# Altium PCB 15-34级主板.PcbDoc (part 3 of 4)
Units mil, origin at the board's own origin, x right, y up, seen from the top; angles counter-clockwise.
Board outline 2090.18 x 2701.44 mil, 2 copper layers (Top Layer, Bottom Layer); 13 components, 36 nets, 276 pads, 223 vias.
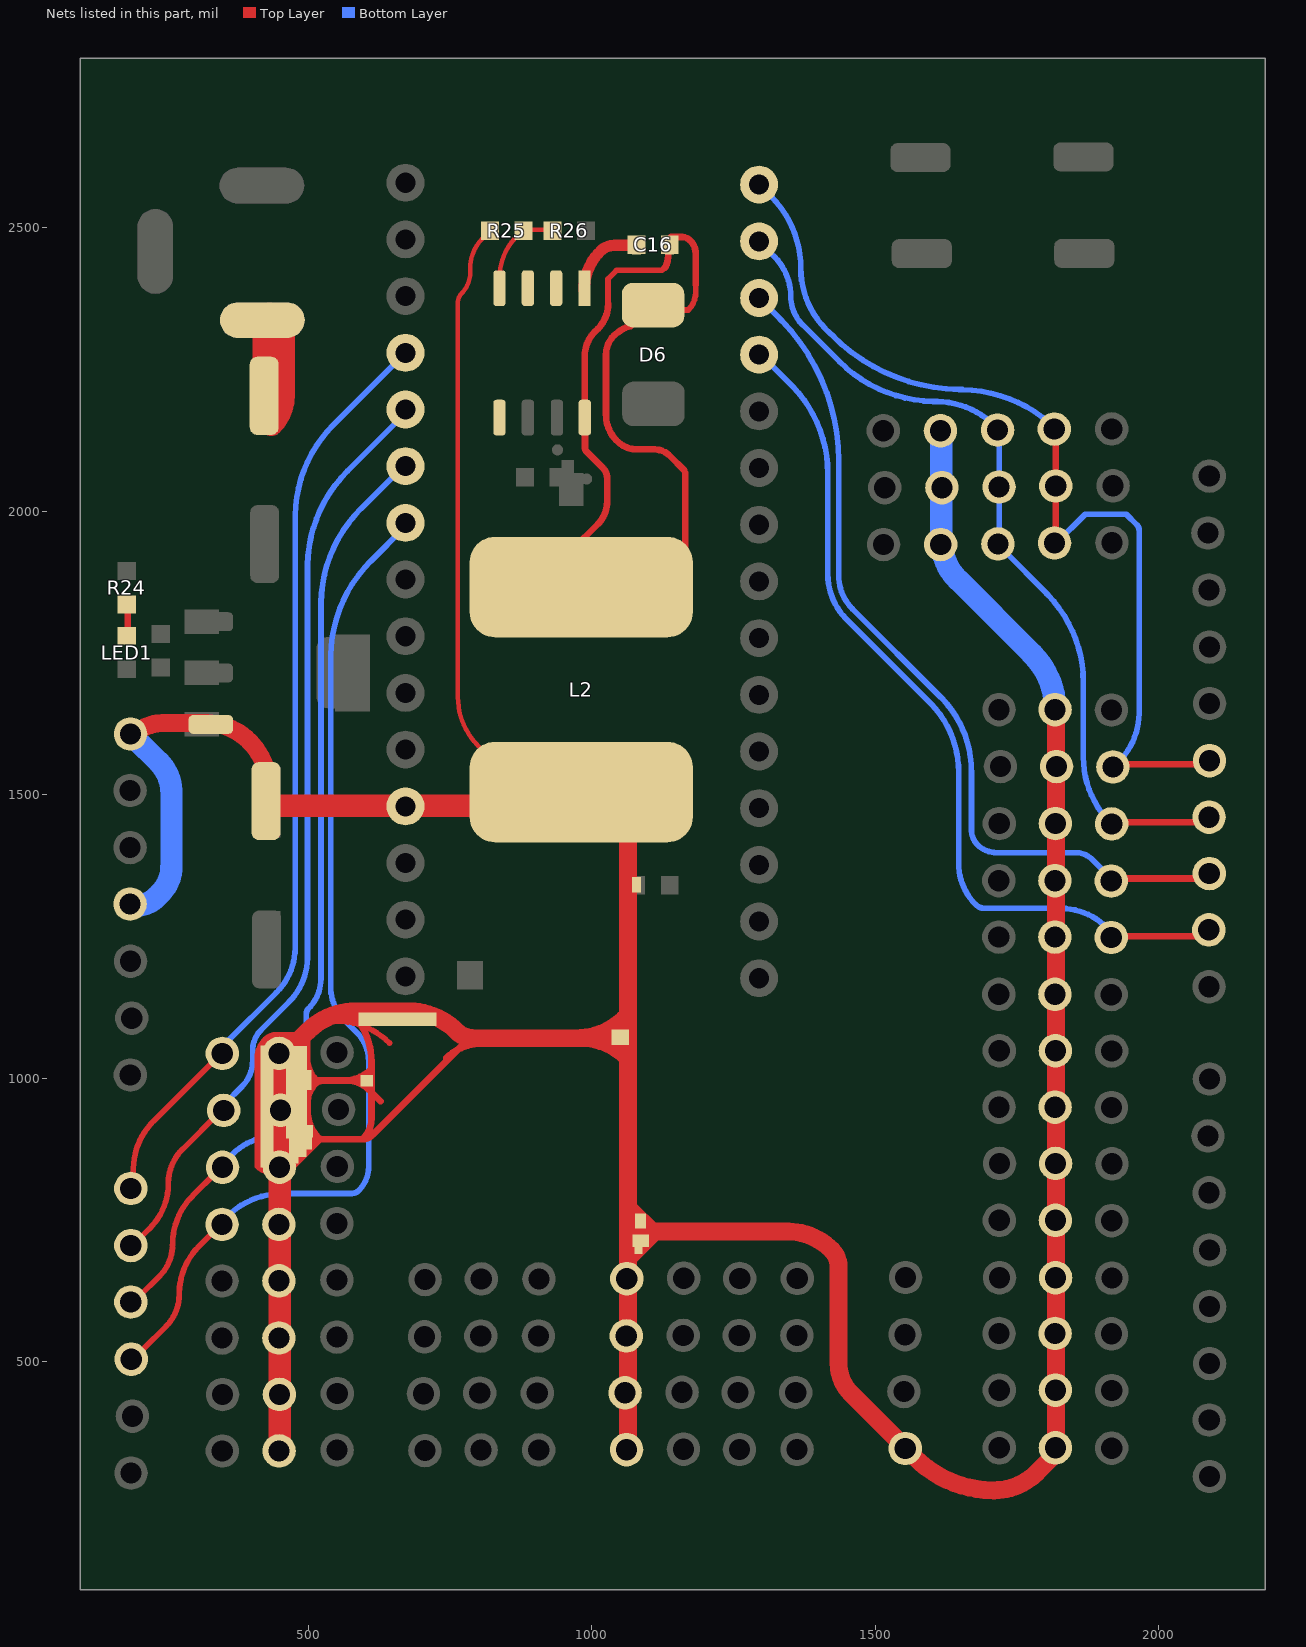
[diagram p3: the nets of this part, all layers, seen from the top]

## Via types
v1: diameter 23.62, hole 15.75, Top Layer to Bottom Layer, 223 vias

## Nets (pads, with @x,y where several pads share a name; then routed paths per layer and width w, separated by ;. In a path a pad name is that pad's centre, name@x,y a point inside that pad or via, vN(x,y) a via of type N, cw(c..) or ccw(c..) an arc to the next point about the centre after c; other vN are vias at no path point) (continued)
$Net22: pad.0@1295.08,2276.33 pad.0@1916.31,1248.21 pad.0@2088.43,1261.74 | length 1533.8
  Top Layer w11.81: pad.0@1917.99,1250.49 2084.05,1250.49 2085.84,1250.55 2087.61,1250.74 2089.37,1251.05 2091.11,1251.48 2092.81,1252.03 2094.47,1252.7 2096.07,1253.49 2097.62,1254.38 2099.1,1255.38 2100.51,1256.48 2101.84,1257.68 pad.0@2102.16,1257.99
  Bottom Layer w10: pad.0@1292.16,2274.24 1292.5,2274.24 1293.9,2274.17 1295.3,2274 1296.68,2273.73 1298.03,2273.36 1299.36,2272.91 1300.65,2272.36 1301.91,2271.72 1303.11,2271 1304.26,2270.19 1305.35,2269.31 1306.38,2268.35 1351.54,2223.2 1354.24,2220.44 1364.57,2208.96 1374.08,2196.8 1382.71,2183.99 1390.43,2170.62 1397.2,2156.74 1402.99,2142.43 1407.76,2127.74 1411.5,2112.76 1414.18,2097.55 1415.79,2082.19 1416.33,2066.76 1416.33,1889.06 1416.6,1881.23 1417.42,1873.44 1418.78,1865.73 1420.68,1858.13 1423.1,1850.68 1426.03,1843.42 1429.46,1836.38 1433.38,1829.6 1437.76,1823.1 1442.58,1816.93 1447.82,1811.11 1449.2,1809.72 1596.49,1662.43 1598.61,1660.28 1606.69,1651.3 1614.12,1641.78 1620.88,1631.77 1626.92,1621.31 1632.21,1610.46 1636.73,1599.26 1640.47,1587.77 1643.39,1576.05 1645.49,1564.16 1646.75,1552.15 1647.17,1540.08 1647.17,1378.76 1647.42,1371.61 1648.17,1364.5 1649.41,1357.46 1651.14,1350.53 1653.35,1343.73 1656.03,1337.1 1659.16,1330.67 1662.73,1324.48 1666.73,1318.55 1671.13,1312.92 1675.92,1307.61 1677.17,1306.33 1678.33,1305.25 1679.57,1304.25 1680.87,1303.33 1682.23,1302.52 1683.65,1301.79 1685.11,1301.17 1686.61,1300.66 1688.15,1300.24 1689.71,1299.94 1691.29,1299.75 1692.87,1299.66 1693.26,1299.67 1826.32,1299.67 1828.35,1299.65 1836.48,1299.22 1844.56,1298.23 1852.56,1296.68 1860.43,1294.57 1868.13,1291.92 1875.62,1288.73 1882.88,1285.04 1889.86,1280.84 1896.53,1276.17 1902.86,1271.04 pad.0@1908.82,1265.49
$Net23: pad.0@1295.08,2376.33 pad.0@1916.31,1347.8 pad.0@2089.25,1360.9 | length 1489.4
  Top Layer w11.81: pad.0@1922.99,1352.18 2062.4,1352.18 2062.6,1352.17 2063.4,1352.13 2064.19,1352.03 2064.97,1351.88 2065.74,1351.67 2066.5,1351.41 2067.24,1351.1 2067.95,1350.74 2068.63,1350.33 2069.29,1349.87 2069.91,1349.36 pad.0@2070.49,1348.82
  Bottom Layer w10: pad.0@1303.41,2367.99 1331.7,2339.69 1336.04,2335.28 1352.59,2316.9 1367.82,2297.41 1381.65,2276.91 1394.01,2255.49 1404.85,2233.26 1414.12,2210.32 1421.76,2186.8 1427.75,2162.8 1432.04,2138.45 1434.63,2113.85 1435.49,2089.13 1435.49,1886.8 1435.69,1880.97 1436.3,1875.17 1437.32,1869.42 1438.73,1863.76 1440.53,1858.21 1442.72,1852.8 1445.28,1847.55 1448.19,1842.5 1451.46,1837.66 1455.05,1833.06 1458.95,1828.73 1459.98,1827.69 1615.68,1671.98 1617.94,1669.68 1626.55,1660.13 1634.47,1649.99 1641.66,1639.33 1648.09,1628.19 1653.73,1616.63 1658.55,1604.7 1662.52,1592.47 1665.63,1579.99 1667.87,1567.33 1669.21,1554.53 1669.66,1541.68 1669.66,1437.9 1669.75,1435.32 1670.02,1432.75 1670.47,1430.21 1671.09,1427.7 1671.89,1425.25 1672.86,1422.85 1673.99,1420.53 1675.28,1418.3 1676.72,1416.16 1678.31,1414.12 1680.04,1412.2 1680.49,1411.74 1682.89,1409.5 1685.43,1407.44 1688.12,1405.56 1690.93,1403.87 1693.85,1402.39 1696.86,1401.11 1699.96,1400.04 1703.13,1399.19 1706.35,1398.57 1709.6,1398.17 1712.87,1398 1713.69,1397.99 1853.82,1397.99 1854.53,1397.98 1857.34,1397.83 1860.13,1397.49 1862.89,1396.95 1865.61,1396.23 1868.26,1395.31 1870.85,1394.21 1873.36,1392.94 1875.77,1391.49 1878.07,1389.88 1880.25,1388.11 1882.31,1386.19 1914.3,1354.2 1914.35,1354.15 1914.54,1353.94 1914.71,1353.71 1914.87,1353.48 1915.01,1353.23 1915.14,1352.98 1915.24,1352.71 1915.33,1352.44 1915.4,1352.17 1915.45,1351.89 1915.48,1351.6 pad.0@1915.49,1351.32
$Net24: pad.0@1295.08,2476.33 pad.0@1715.92,2143.4 pad.0@1716.34,1942.58 pad.0@1718.42,2043 pad.0@1917.15,1448.64 pad.0@2088.84,1460.49 | length 1512
  Top Layer w11.81: pad.0@1928.83,1451.33 2098.44,1451.33 2099.63,1451.37 2100.81,1451.5 2101.98,1451.7 2103.14,1451.99 2104.27,1452.36 2105.37,1452.8 2106.44,1453.32 2107.47,1453.92 2108.46,1454.58 2109.39,1455.32 2110.28,1456.11 pad.0@2110.49,1456.32
  Bottom Layer w10: pad.0@1288.45,2481.34 1288.59,2481.33 1288.73,2481.31 1288.86,2481.29 1288.99,2481.25 1289.12,2481.21 1289.25,2481.15 1289.37,2481.09 1289.49,2481.02 1289.6,2480.94 1289.71,2480.85 pad.0@1289.81,2480.76 ; pad.0@1295.08,2476.33 1321.67,2449.75 1322.88,2448.51 1327.55,2443.32 1331.85,2437.82 1335.75,2432.03 1339.24,2425.99 1342.3,2419.71 1344.92,2413.24 1347.08,2406.6 1348.76,2399.83 1349.98,2392.96 1350.71,2386.02 1350.95,2379.04 1351.12,2374.16 1351.63,2369.3 1352.48,2364.49 1353.66,2359.75 1355.17,2355.1 1357,2350.57 1359.14,2346.18 1361.59,2341.95 1364.32,2337.89 1367.33,2334.04 1370.6,2330.41 1371.43,2329.57 ; 1371.46,2329.54 1436.79,2264.2 1449.05,2252.76 1462.09,2242.21 1475.82,2232.59 1490.2,2223.95 1505.14,2216.34 1520.58,2209.79 1536.43,2204.33 1552.63,2199.99 1569.09,2196.79 1585.74,2194.74 1602.49,2193.87 1606.69,2193.83 1609.26,2193.81 1619.58,2193.27 1629.83,2192.01 1639.97,2190.04 1649.95,2187.37 1659.71,2184 1669.22,2179.97 1678.42,2175.28 1687.28,2169.96 1695.74,2164.03 1703.77,2157.53 pad.0@1711.32,2150.49 ; pad.0@1718.82,2144.24 1718.82,1947.42 1718.88,1945.83 1719.04,1944.25 1719.32,1942.69 1719.7,1941.15 1720.19,1939.64 1720.79,1938.16 1721.48,1936.73 1722.28,1935.36 1723.17,1934.04 1724.14,1932.79 1725.21,1931.61 pad.0@1725.49,1931.32 ; pad.0@1725.52,1931.32 1725.66,1931.31 1725.8,1931.29 1725.94,1931.27 1726.08,1931.23 1726.21,1931.18 1726.34,1931.13 1726.46,1931.07 1726.58,1930.99 1726.7,1930.91 1726.81,1930.83 1726.91,1930.73 1802.3,1855.35 ; 1802.17,1855.08 1804.89,1852.32 1815.25,1840.81 1824.79,1828.6 1833.45,1815.76 1841.19,1802.35 1847.98,1788.42 1853.79,1774.06 1858.57,1759.33 1862.32,1744.3 1865.01,1729.05 1866.63,1713.64 1867.17,1698.16 1867.17,1566.34 1867.57,1554.83 1868.78,1543.38 1870.78,1532.04 1873.56,1520.86 1877.12,1509.91 1881.43,1499.23 1886.48,1488.88 1892.24,1478.91 1898.68,1469.36 1905.77,1460.29 1913.48,1451.73 1915.49,1449.68 pad.0@1915.89,1449.27
$Net25: pad.0@1295.08,2576.33 pad.0@1815.91,2145.06 pad.0@1816.33,1944.24 pad.0@1818.41,2044.66 pad.0@1919.24,1549.06 pad.0@2089.67,1560.08 | length 1752.4
  Top Layer w11.81: pad.0@1818.41,2152.99 1818.41,1941.63 1818.42,1941.23 1818.47,1940.83 1818.53,1940.44 1818.63,1940.05 1818.75,1939.67 1818.9,1939.3 1819.08,1938.94 1819.28,1938.6 1819.5,1938.27 1819.75,1937.95 1820.02,1937.66 pad.0@1820.08,1937.58 ; pad.0@1922.17,1553.83 2094.81,1553.83 2094.91,1553.83 2095.31,1553.81 2095.7,1553.77 2096.09,1553.69 2096.47,1553.59 2096.85,1553.46 2097.21,1553.3 2097.57,1553.12 2097.91,1552.92 2098.23,1552.69 2098.54,1552.44 pad.0@2098.83,1552.17
  Bottom Layer w10: pad.0@1292.58,2577.17 1292.67,2577.17 1293.01,2577.15 1293.36,2577.11 1293.7,2577.04 1294.04,2576.95 1294.37,2576.84 1294.69,2576.7 1295,2576.55 1295.3,2576.37 1295.58,2576.17 1295.86,2575.95 1296.11,2575.71 1315.79,2556.02 1318,2553.77 1326.46,2544.38 1334.24,2534.42 1341.31,2523.94 1347.63,2513 1353.17,2501.64 1357.9,2489.92 1361.81,2477.9 1364.86,2465.64 1367.06,2453.19 1368.38,2440.62 1368.82,2427.99 ; 1368.54,2429.16 1368.91,2418.43 1370.04,2407.75 1371.9,2397.17 1374.5,2386.75 1377.82,2376.54 1381.84,2366.58 1386.55,2356.93 1391.92,2347.63 1397.92,2338.72 1404.54,2330.26 1411.72,2322.28 1419.45,2314.82 1426.44,2308.89 ; 1425.2,2309.45 1441.69,2294.07 1459.21,2279.89 1477.68,2266.95 1497,2255.34 1517.09,2245.11 1537.84,2236.3 1559.16,2228.96 1580.94,2223.12 1603.07,2218.82 1625.45,2216.07 1647.96,2214.89 1653.6,2214.85 ; 1649.66,2214.68 1653.87,2214.64 1670.7,2213.76 1687.43,2211.71 1703.97,2208.49 1720.24,2204.13 1736.18,2198.65 1751.69,2192.06 1766.7,2184.41 1781.15,2175.73 1794.95,2166.07 1808.05,2155.46 pad.0@1820.37,2143.97 ; pad.0@1818.42,1943.42 1818.49,1943.42 1818.56,1943.43 1818.63,1943.44 1818.7,1943.46 1818.77,1943.48 1818.83,1943.51 1818.89,1943.54 1818.96,1943.57 1819.01,1943.61 1819.07,1943.66 pad.0@1819.12,1943.7 ; pad.0@1819.13,1943.71 1870.35,1994.94 1881.1,1994.94 ; 1878.86,1994.93 1942.74,1994.93 1961.74,1975.93 1961.9,1975.76 1962.5,1975.1 1963.05,1974.39 1963.55,1973.65 1963.99,1972.88 1964.38,1972.08 1964.72,1971.25 1964.99,1970.4 1965.21,1969.53 1965.37,1968.65 1965.46,1967.76 1965.49,1966.87 1965.49,1645.67 1965.47,1643.49 1965.01,1634.76 1963.95,1626.09 1962.28,1617.52 1960.02,1609.08 1957.17,1600.82 1953.76,1592.78 1949.8,1584.99 1945.3,1577.5 1940.29,1570.35 1934.79,1563.56 pad.0@1928.83,1557.17
$Net26: pad.0@186.75,805.5 pad.0@348.2,1043.62 pad.0@671.33,2279.65 | length 1655.7
  Top Layer w10: pad.0@190.49,788.82 190.63,788.97 190.75,789.12 190.87,789.29 190.97,789.46 191.06,789.64 191.14,789.82 191.21,790.01 191.26,790.2 191.3,790.4 191.32,790.6 191.33,790.8 191.33,790.86 191.33,838.83 191.36,840.95 191.8,849.36 192.82,857.72 194.43,865.99 196.61,874.13 199.35,882.1 202.65,889.85 206.47,897.36 210.81,904.58 215.64,911.48 220.94,918.03 226.69,924.19 pad.0@350.74,1048.24 ; pad.0@350.77,1048.27 350.88,1048.36 350.99,1048.45 351.1,1048.52 351.23,1048.59 351.35,1048.66 351.48,1048.71 351.62,1048.75 351.75,1048.79 351.89,1048.81 352.03,1048.83 pad.0@352.17,1048.83
  Bottom Layer w10: pad.0@355.87,1063.37 443.83,1151.33 449.18,1157.07 454.11,1163.16 458.61,1169.58 462.65,1176.31 466.21,1183.29 469.28,1190.51 471.83,1197.93 473.86,1205.5 475.36,1213.2 476.31,1220.99 476.72,1228.82 476.74,1230.78 476.74,1988.82 476.78,1992.89 477.62,2009.08 479.6,2025.18 482.7,2041.1 486.89,2056.77 492.17,2072.1 498.51,2087.03 505.88,2101.48 514.23,2115.39 523.53,2128.67 533.74,2141.28 544.8,2153.14 pad.0@669.07,2277.4
  Bottom Layer w11.81: pad.0@352.99,1062.18 353.27,1062.19 353.56,1062.22 353.84,1062.27 354.11,1062.34 354.38,1062.43 354.65,1062.53 354.9,1062.66 355.15,1062.8 355.38,1062.96 355.61,1063.13 355.82,1063.32 pad.0@355.87,1063.37 ; pad.0@669.09,2277.43 669.2,2277.52 669.31,2277.61 669.42,2277.68 669.55,2277.75 669.67,2277.82 669.8,2277.87 669.94,2277.91 670.07,2277.95 670.21,2277.97 670.35,2277.99 pad.0@670.49,2277.99
$Net27: pad.0@186.74,704.68 pad.0@350.7,943.22 pad.0@671.33,2179.65 | length 1629.4
  Top Layer w10: pad.0@200.49,715.49 219.98,734.98 225.35,740.73 230.3,746.85 234.81,753.29 238.86,760.04 242.43,767.05 245.51,774.29 248.07,781.73 250.1,789.33 251.61,797.05 252.56,804.86 252.98,812.71 252.99,814.68 253.01,816.14 253.31,822.03 254.03,827.88 255.16,833.67 256.68,839.36 258.6,844.94 260.91,850.36 263.58,855.62 266.62,860.67 270,865.5 273.71,870.08 277.73,874.39 342.9,939.56 342.97,939.63 343.29,939.92 343.62,940.18 343.97,940.41 344.33,940.62 344.71,940.81 345.1,940.97 345.51,941.1 345.91,941.2 346.33,941.27 346.75,941.32 pad.0@347.17,941.33
  Bottom Layer w10: pad.0@353.79,956.29 382.43,984.93 385.57,988.3 388.46,991.87 391.1,995.64 393.47,999.59 395.56,1003.69 397.36,1007.92 398.86,1012.27 400.05,1016.72 400.93,1021.24 401.49,1025.8 401.73,1030.4 401.74,1031.55 401.74,1049.09 401.75,1049.98 401.94,1053.55 402.37,1057.1 403.05,1060.61 403.98,1064.06 405.14,1067.44 406.54,1070.73 408.16,1073.92 410,1076.98 412.05,1079.91 414.3,1082.69 416.74,1085.3 465.58,1134.14 470.92,1139.86 475.84,1145.95 480.33,1152.36 484.36,1159.06 487.91,1166.04 490.97,1173.24 493.52,1180.64 495.55,1188.2 497.04,1195.88 497.99,1203.65 498.4,1211.46 498.42,1213.42 498.42,1900.5 498.46,1904.71 499.34,1921.54 501.39,1938.27 504.61,1954.81 508.97,1971.08 514.45,1987.02 521.04,2002.53 528.69,2017.54 537.37,2031.99 547.03,2045.79 557.64,2058.89 569.13,2071.21 pad.0@677.82,2179.9
  Bottom Layer w11.81: pad.0@349.67,946.33 349.67,946.58 349.72,947.56 349.84,948.53 350.03,949.5 350.28,950.45 350.6,951.38 350.98,952.28 351.43,953.16 351.94,954 352.5,954.81 353.12,955.57 pad.0@353.79,956.29 ; pad.0@677.84,2179.93 677.95,2180.02 678.06,2180.11 678.17,2180.18 678.3,2180.25 678.42,2180.32 678.55,2180.37 678.69,2180.41 678.82,2180.45 678.96,2180.47 679.1,2180.49 pad.0@679.24,2180.49
$Net28: pad.0@186.74,605.09 pad.0@348.62,842.8 pad.0@671.33,2079.65 | length 1653.1
  Top Layer w10: pad.0@201.33,614.67 236.92,650.25 240.75,654.36 244.29,658.72 247.51,663.32 250.4,668.14 252.95,673.14 255.14,678.31 256.97,683.62 258.43,689.05 259.5,694.56 260.18,700.14 260.48,705.75 260.49,707.16 260.52,709.27 260.96,717.68 261.98,726.04 263.59,734.31 265.77,742.45 268.51,750.42 271.81,758.17 275.63,765.68 279.97,772.9 284.8,779.8 290.1,786.35 295.85,792.51 336.51,833.18 337.56,834.31 338.54,835.51 339.42,836.78 340.22,838.1 340.92,839.48 341.52,840.9 342.03,842.36 342.43,843.85 342.72,845.37 342.91,846.9 342.99,848.44 pad.0@342.99,848.82
  Bottom Layer w10: pad.0@365.49,865.49 366.86,866.83 372.54,871.95 378.57,876.65 384.91,880.93 391.53,884.75 398.4,888.11 405.49,890.97 412.77,893.34 420.19,895.19 427.72,896.51 435.33,897.31 442.97,897.58 472.64,897.58 474.03,897.63 475.42,897.77 476.79,898.02 478.14,898.35 479.46,898.78 480.75,899.3 482.01,899.92 483.21,900.61 484.37,901.39 485.46,902.25 486.5,903.18 486.74,903.43 488.3,905.1 489.74,906.88 491.05,908.75 492.23,910.71 493.26,912.75 494.16,914.85 494.9,917.01 495.49,919.22 495.93,921.47 496.21,923.74 496.33,926.02 496.33,926.58 496.33,1113.53 496.33,1113.75 496.38,1114.65 496.49,1115.53 496.66,1116.41 496.89,1117.27 497.18,1118.12 497.53,1118.94 497.94,1119.73 498.4,1120.5 498.91,1121.23 499.47,1121.93 500.08,1122.58 503.67,1126.43 506.98,1130.52 510,1134.83 512.71,1139.34 515.1,1144.03 517.16,1148.88 518.87,1153.85 520.23,1158.94 521.24,1164.1 521.88,1169.33 522.15,1174.58 522.17,1175.9 522.17,1833.85 522.21,1838.06 523.09,1854.89 525.14,1871.62 528.36,1888.16 532.72,1904.43 538.2,1920.37 544.79,1935.88 552.44,1950.89 561.12,1965.34 570.78,1979.14 581.39,1992.24 592.88,2004.56 pad.0@662.17,2073.85
  Bottom Layer w11.81: pad.0@662.17,2073.85 662.34,2074.02 663.08,2074.68 663.85,2075.29 664.67,2075.84 665.53,2076.34 666.41,2076.77 667.33,2077.14 668.27,2077.44 669.22,2077.68 670.19,2077.85 671.17,2077.96 pad.0@672.16,2077.99
$Net29: pad.0@187.58,504.25 pad.0@347.77,741.96 pad.0@671.33,1979.65 | length 1770.5
  Top Layer w10: pad.0@209.66,522.99 248.6,561.93 252.43,566.04 255.97,570.4 259.19,575 262.08,579.82 264.63,584.82 266.82,589.99 268.65,595.3 270.11,600.73 271.18,606.24 271.86,611.82 272.16,617.43 272.17,618.83 272.19,620.95 272.63,629.36 273.65,637.72 275.26,645.99 277.44,654.13 280.18,662.1 283.48,669.85 287.3,677.36 291.64,684.58 296.47,691.48 301.77,698.03 307.52,704.19 347.54,744.21 348.02,744.72 348.46,745.27 348.86,745.84 349.22,746.45 349.54,747.07 349.82,747.72 350.05,748.38 350.23,749.06 350.36,749.75 350.45,750.44 350.48,751.14 pad.0@350.49,751.32
  Bottom Layer w10: pad.0@355.91,755.49 357.65,757.21 364.96,763.79 372.71,769.84 380.86,775.34 389.37,780.25 398.21,784.56 407.32,788.25 416.67,791.28 426.21,793.66 435.89,795.37 445.67,796.4 455.49,796.74 506.32,796.74 576.75,796.74 577.94,796.78 579.13,796.91 580.3,797.11 581.46,797.4 582.59,797.77 583.69,798.22 584.76,798.74 585.8,799.33 586.78,800 587.72,800.73 588.61,801.53 588.82,801.74 591.67,804.79 594.29,808.03 596.68,811.45 598.83,815.03 600.73,818.75 602.36,822.59 603.72,826.53 604.8,830.56 605.59,834.66 606.1,838.8 606.32,842.97 606.33,844.01 606.33,1030.08 606.16,1035.06 605.63,1040.02 604.77,1044.93 603.56,1049.77 602.02,1054.51 600.16,1059.13 597.97,1063.61 595.48,1067.93 592.69,1072.06 589.62,1075.99 586.29,1079.69 585.42,1080.58 563.83,1102.17 562.8,1103.22 558.88,1107.57 555.27,1112.19 552,1117.05 549.07,1122.12 546.5,1127.39 544.3,1132.82 542.49,1138.4 541.07,1144.08 540.06,1149.86 539.44,1155.68 539.24,1161.54 539.24,1741.33 539.28,1745.54 540.16,1762.37 542.21,1779.1 545.43,1795.64 549.79,1811.91 555.27,1827.85 561.86,1843.36 569.51,1858.37 578.19,1872.82 587.85,1886.62 598.46,1899.72 609.95,1912.04 pad.0@668.34,1970.42
  Bottom Layer w11.81: pad.0@668.34,1970.42 668.96,1971.09 669.54,1971.8 670.06,1972.55 670.53,1973.33 670.95,1974.14 671.3,1974.98 671.6,1975.85 671.84,1976.73 672.01,1977.62 672.12,1978.53 672.17,1979.44 pad.0@672.17,1979.67
$Net37: L2.1@981.33,1504.67 pad.0@185.49,1307.18 pad.0@186.32,1607.17 pad.0@447.99,642.58 pad.0@447.99,742.17 pad.0@448,541.76 pad.0@448.42,342.58 pad.0@448.42,1043.83 pad.0@448.83,442.17 pad.0@448.84,843.01 pad.0@450.92,943.43 pad.0@671.33,1479.65 pad.0@1058.82,445.06 pad.0@1060.9,545.48 pad.0@1061.31,344.67 pad.0@1061.74,646.32 pad.0@1552.99,346.78 pad.0@1615.07,2142.14 pad.0@1615.49,1941.32 pad.0@1617.57,2041.74 pad.0@1816.94,1248.83 pad.0@1816.94,1348.42 pad.0@1816.95,1148.01 pad.0@1817.37,549.68 pad.0@1817.37,948.82 pad.0@1817.37,1650.07 pad.0@1817.77,449.67 pad.0@1817.77,1048.42 pad.0@1817.78,348.01 pad.0@1817.78,749.26 pad.0@1817.78,1449.26 pad.0@1818.2,648.01 pad.0@1818.19,849.67 pad.0@1819.87,1549.68 pad.1@327.99,1624.13 pad.1@425.49,1488.84 pad.1@427.17,950.08 pad.1@474.04,874.46 pad.1@479.04,975.08 pad.1@482.37,879.88 pad.1@495.49,885.91 pad.1@499.45,996.54 pad.1@500.91,906.33 pad.1@602.99,995.7 pad.1@657.58,1103.83 pad.1@821.73,2495.5 pad.1@981.33,1504.67 pad.1@1050.08,1072.16 pad.1@1078.62,1341.12 pad.1@1082.16,700.71 pad.1@1085.7,747.8 pad.1@1086.33,713.42 R25.2 | length 9531.5
  Top Layer w7.87: L2.1@817.17,1568.83 799.19,1586.81 797.71,1588.32 792.07,1594.58 786.88,1601.22 782.17,1608.2 777.96,1615.5 774.27,1623.07 771.11,1630.88 768.51,1638.9 766.47,1647.07 765,1655.37 764.12,1663.75 763.83,1672.17 763.83,2368.6 763.84,2369.01 763.92,2370.59 764.11,2372.17 764.42,2373.72 764.83,2375.25 765.34,2376.75 765.96,2378.21 766.68,2379.63 767.5,2380.99 768.41,2382.29 769.41,2383.52 770.49,2384.68 772.93,2387.29 775.18,2390.07 777.23,2393 779.07,2396.06 780.69,2399.25 782.09,2402.54 783.25,2405.92 784.18,2409.37 784.86,2412.88 785.29,2416.43 785.48,2420 785.49,2420.89 785.49,2428.43 785.5,2429.74 785.78,2435 786.42,2440.22 787.43,2445.39 788.79,2450.48 790.5,2455.46 792.56,2460.31 794.95,2465 797.66,2469.51 800.68,2473.83 804,2477.92 807.59,2481.77 819.57,2493.75 819.86,2494.06 820.12,2494.38 820.36,2494.72 820.57,2495.08 820.76,2495.46 820.93,2495.84 821.06,2496.24 821.17,2496.64 821.25,2497.05 821.3,2497.47 821.33,2497.89 pad.1@821.32,2497.99
  Top Layer w10: 536.37,1100.85 549.3,1100.85 551.63,1100.83 560.87,1100.35 570.06,1099.22 579.15,1097.45 588.09,1095.06 596.85,1092.04 605.37,1088.42 613.62,1084.22 621.56,1079.45 629.14,1074.14 636.34,1068.31 643.11,1062
  Top Layer w11.81: pad.0@433.82,835.49 433.26,835.5 431.02,835.62 428.79,835.89 426.59,836.32 424.42,836.9 422.3,837.63 420.23,838.51 418.24,839.53 416.31,840.68 414.47,841.97 412.73,843.38 411.09,844.91 410.97,845.04 410.88,845.15 410.8,845.27 410.73,845.39 410.67,845.52 410.61,845.66 410.57,845.79 410.53,845.93 410.51,846.07 410.5,846.22 410.49,846.36 410.49,1033.79 410.5,1034.63 410.68,1038.01 411.09,1041.36 411.73,1044.67 412.61,1047.93 413.71,1051.12 415.03,1054.23 416.56,1057.24 418.3,1060.13 420.23,1062.9 422.36,1065.52 424.66,1067.99 424.97,1068.3 426.3,1069.5 427.71,1070.6 429.19,1071.6 430.74,1072.49 432.34,1073.28 434,1073.95 435.7,1074.5 437.44,1074.93 439.2,1075.24 440.97,1075.43 442.76,1075.49 488.82,1075.49 ; pad.0@448.84,820.93 517.97,890.05 ; 451.33,895.92 451.98,895.31 452.68,894.75 453.41,894.24 454.18,893.78 454.97,893.37 455.79,893.02 456.64,892.73 457.5,892.5 458.38,892.33 459.26,892.22 460.16,892.17 460.39,892.17 593.83,892.17 595.8,892.24 597.75,892.44 599.69,892.79 601.59,893.26 603.46,893.87 605.29,894.61 607.06,895.47 608.76,896.45 610.39,897.55 611.94,898.76 613.4,900.08 613.75,900.42 780.48,1067.14 ; 459.24,995.93 562.5,995.93 567.36,996.1 572.19,996.61 576.98,997.45 581.7,998.63 586.32,1000.13 590.83,1001.95 595.19,1004.08 599.4,1006.51 603.43,1009.23 607.26,1012.22 610.88,1015.48 611.74,1016.32 ; pad.1@462.58,1002.17 462.58,1001.53 462.62,1000.44 462.73,999.36 462.92,998.28 463.18,997.23 463.52,996.19 463.93,995.18 464.41,994.2 464.95,993.26 465.56,992.35 466.23,991.5 466.96,990.69 pad.1@467.16,990.49 ; 503.83,1082.58 502.81,1081.49 501.88,1080.33 501.02,1079.11 500.26,1077.84 499.58,1076.51 499,1075.14 498.51,1073.73 498.13,1072.29 497.84,1070.83 497.66,1069.35 497.58,1067.86 497.58,1067.49 497.58,1037.47 497.73,1033.2 498.18,1028.96 498.92,1024.76 499.95,1020.62 501.27,1016.56 502.87,1012.6 504.74,1008.77 506.87,1005.07 509.26,1001.53 511.88,998.17 514.74,995 515.49,994.24 ; 518.41,894.24 517.58,895.08 514.46,898.54 511.59,902.22 508.98,906.09 506.65,910.13 504.6,914.33 502.85,918.65 501.41,923.09 500.28,927.62 499.47,932.21 498.98,936.86 498.82,941.52 498.82,957.31 498.84,958.13 499.01,961.4 499.41,964.65 500.03,967.86 500.88,971.02 501.95,974.12 503.23,977.13 504.71,980.05 506.4,982.86 508.28,985.54 510.34,988.09 512.57,990.48 512.78,990.69 513.67,991.49 514.61,992.22 515.6,992.89 516.63,993.49 517.7,994.01 518.81,994.46 519.95,994.83 521.1,995.12 522.28,995.32 523.47,995.45 524.66,995.49 ; 545.08,1107.58 555.48,1107.58 ; 566.33,996.33 567.34,996.32 571.33,996.11 575.3,995.62 579.23,994.86 583.09,993.83 586.87,992.52 590.55,990.96 594.11,989.15 597.54,987.09 600.82,984.79 603.93,982.28 606.85,979.55 627.16,959.24 ; 574.67,1116.33 575.97,1115.03 577.44,1113.53 583.08,1107.27 588.27,1100.63 592.98,1093.65 597.19,1086.35 600.88,1078.78 604.04,1070.97 606.64,1062.95 608.68,1054.78 610.15,1046.48 611.03,1038.1 611.32,1029.68 611.32,928.44 611.32,927.6 611.14,924.22 610.73,920.87 610.09,917.56 609.21,914.3 608.11,911.11 606.79,908 605.26,904.99 603.52,902.1 601.59,899.33 599.46,896.71 597.16,894.24 ; 743.41,1035.49 744.49,1036.56 748.99,1040.61 753.76,1044.34 758.79,1047.73 764.04,1050.76 769.48,1053.41 775.1,1055.68 780.86,1057.56 786.74,1059.02 792.71,1060.08 798.73,1060.71 804.79,1060.92 838.83,1060.92 ; pad.0@1060.92,658.42 1060.92,658.74 1060.99,660 1061.14,661.25 1061.38,662.49 1061.71,663.71 1062.12,664.91 1062.61,666.07 1063.19,667.2 1063.84,668.28 1064.56,669.31 1065.36,670.3 1066.22,671.22 1115.08,720.08 ; 1068.43,780.93 1118.25,731.1 ; 1114.52,731.48 1114.61,731.37 1114.7,731.26 1114.77,731.15 1114.84,731.02 1114.91,730.9 1114.96,730.77 1115,730.63 1115.04,730.5 1115.06,730.36 1115.08,730.22 1115.08,730.08
  Top Layer w31.5: pad.0@188.83,1603.83 189.79,1604.77 193.77,1608.36 198,1611.66 202.44,1614.66 207.09,1617.34 211.9,1619.69 216.88,1621.7 221.98,1623.35 227.18,1624.65 232.46,1625.58 237.79,1626.14 243.15,1626.33 319.56,1626.33 321.44,1626.32 328.88,1625.93 336.29,1625.02 343.61,1623.59 350.82,1621.66 357.87,1619.23 364.74,1616.32 371.38,1612.93 377.78,1609.09 383.89,1604.81 389.68,1600.12 395.14,1595.03 396.61,1593.53 402.25,1587.27 407.44,1580.63 412.15,1573.65 416.36,1566.35 420.05,1558.78 423.21,1550.97 425.81,1542.95 427.85,1534.78 429.32,1526.48 430.2,1518.1 430.49,1509.68 pad.1@430.49,1466.32 ; pad.0@450.49,1041.32 451.61,1041.36 452.73,1041.48 453.84,1041.67 454.93,1041.94 455.99,1042.29 457.03,1042.71 458.04,1043.2 459.02,1043.76 459.95,1044.39 460.83,1045.08 461.67,1045.84 461.87,1046.04 498.47,1082.64 499.97,1084.11 506.23,1089.75 512.87,1094.94 519.85,1099.65 527.15,1103.86 534.72,1107.55 542.53,1110.71 550.55,1113.31 558.72,1115.35 567.02,1116.82 575.4,1117.7 583.82,1117.99 676.32,1117.99 678.44,1117.97 686.85,1117.53 695.21,1116.51 703.48,1114.9 711.62,1112.72 719.59,1109.98 727.34,1106.68 734.85,1102.86 742.07,1098.52 748.97,1093.69 755.52,1088.39 761.68,1082.64 763.8,1080.67 766.05,1078.84 768.42,1077.18 770.9,1075.69 773.48,1074.38 776.14,1073.25 778.88,1072.31 781.67,1071.56 784.51,1071.01 787.39,1070.65 790.28,1070.5 791,1070.49 981.57,1070.49 ; 972.99,1070.49 981.41,1070.78 989.79,1071.66 998.09,1073.13 1006.26,1075.17 1014.28,1077.77 1022.09,1080.93 1029.66,1084.62 1036.96,1088.83 1043.94,1093.54 1050.58,1098.73 1056.84,1104.37 1058.35,1105.85 1060.49,1107.99 ; 981.57,1070.91 983.56,1070.89 991.48,1070.47 999.36,1069.5 1007.16,1067.99 1014.83,1065.93 1022.33,1063.35 1029.64,1060.25 1036.71,1056.64 1043.52,1052.55 1050.02,1048 1056.19,1043 1062,1037.59 ; L2.1@1045.49,1483.82 1046.08,1483.22 1048.34,1480.71 1050.42,1478.05 1052.31,1475.25 1054,1472.33 1055.48,1469.29 1056.74,1466.16 1057.79,1462.95 1058.6,1459.68 1059.19,1456.35 1059.54,1452.99 L2.1@1059.66,1449.62 ; 1062.29,1037.88 1062.99,1037.18 ; pad.0@1063.83,342.17 L2.1@1063.83,1446.3 ; 1064.67,729.67 1344.55,729.67 1346.49,729.65 1354.22,729.25 1361.9,728.31 1369.5,726.83 1376.98,724.82 1384.3,722.3 1391.43,719.28 1398.33,715.76 1404.97,711.77 1411.31,707.33 1417.33,702.46 1422.99,697.18 1423.51,696.65 1425.5,694.43 1427.34,692.09 1429,689.62 1430.49,687.04 1431.8,684.36 1432.92,681.6 1433.84,678.76 1434.56,675.87 1435.07,672.94 1435.39,669.98 1435.49,667 1435.49,496.16 1435.67,491 1436.21,485.86 1437.11,480.77 1438.36,475.76 1439.95,470.85 1441.89,466.06 1444.15,461.41 1446.74,456.94 1449.62,452.66 1452.8,448.59 1456.26,444.75 1457.17,443.83 1570.27,330.73 1580.33,321.35 1591.02,312.69 1602.29,304.8 1614.09,297.71 1626.35,291.46 1639.01,286.09 1652.02,281.61 1665.31,278.05 1678.81,275.42 1692.47,273.75 1706.21,273.03 1709.66,272.99 1717.1,273.25 1724.5,274.03 1731.83,275.32 1739.05,277.12 1746.13,279.42 1753.03,282.21 1759.72,285.47 1766.17,289.19 1772.34,293.35 1778.2,297.94 1783.73,302.92 1785.06,304.22 pad.0@1824.67,343.83 ; pad.0@1818.82,345.49 1818.82,1643.48 1818.83,1643.53 1818.84,1643.73 1818.86,1643.92 1818.9,1644.12 1818.95,1644.31 1819.02,1644.5 1819.09,1644.68 1819.18,1644.86 1819.29,1645.03 1819.4,1645.19 1819.52,1645.34 pad.0@1819.66,1645.49
  Top Layer w39.37: pad.1@427.17,1482.17 427.46,1481.9 427.77,1481.65 428.1,1481.42 428.44,1481.21 428.8,1481.03 429.17,1480.87 429.55,1480.74 429.93,1480.64 430.32,1480.56 430.72,1480.51 431.12,1480.49 431.21,1480.49 L2.1@818.82,1480.49 ; pad.0@449.67,338.83 pad.0@449.67,1046.33 ; pad.0@449.67,850.24 449.68,850.44 449.7,850.63 449.74,850.82 449.79,851.01 449.85,851.2 449.93,851.38 450.02,851.55 450.12,851.72 450.23,851.88 450.36,852.04 pad.0@450.49,852.18
  Bottom Layer w39.37: pad.0@190.49,1610.07 190.53,1608.95 190.65,1607.84 190.84,1606.73 191.11,1605.65 191.46,1604.58 191.88,1603.54 192.37,1602.53 192.93,1601.56 193.56,1600.64 194.24,1599.75 194.99,1598.92 195.19,1598.72 235.73,1558.18 236.68,1557.22 240.3,1553.2 243.63,1548.94 246.65,1544.46 249.35,1539.78 251.72,1534.92 253.75,1529.91 255.42,1524.77 256.73,1519.52 257.67,1514.2 258.23,1508.82 258.42,1503.42 258.42,1373.04 258.4,1371.89 258.16,1367.32 257.61,1362.79 256.74,1358.3 255.55,1353.89 254.07,1349.57 252.28,1345.36 250.21,1341.29 247.85,1337.38 245.23,1333.63 242.36,1330.08 239.24,1326.74 231.63,1319.13 231.01,1318.52 228.45,1316.22 225.74,1314.1 222.88,1312.18 219.9,1310.45 216.8,1308.94 213.61,1307.65 210.34,1306.59 207,1305.76 203.61,1305.16 200.18,1304.8 pad.0@196.74,1304.68 ; pad.0@1611.33,2138.83 1611.54,2138.62 1612.33,2137.73 1613.07,2136.8 1613.73,2135.81 1614.33,2134.78 1614.85,2133.71 1615.29,2132.61 1615.66,2131.48 1615.95,2130.32 1616.15,2129.15 1616.28,2127.97 1616.32,2126.78 1616.32,1950.49 1616.56,1943.47 1617.3,1936.49 1618.52,1929.58 1620.22,1922.76 1622.39,1916.09 1625.02,1909.58 1628.09,1903.27 1631.6,1897.19 1635.53,1891.36 1639.85,1885.83 1644.55,1880.61 1645.79,1879.36 1776.15,1748.99 1777.9,1747.22 1784.57,1739.81 1790.71,1731.95 1796.29,1723.68 1801.27,1715.05 1805.64,1706.09 1809.38,1696.84 1812.46,1687.36 1814.87,1677.69 1816.6,1667.87 1817.64,1657.95 pad.0@1817.99,1647.99
$Net44: pad.1@837.16,2393.7 pad.1@880.27,2495.5 pad.1@931.74,2493.84 R25.1 R26.2 | length 178.1
  Top Layer w7.87: pad.1@837.58,2382.58 837.58,2412.66 837.59,2414.44 837.97,2421.58 838.84,2428.67 840.2,2435.69 842.05,2442.6 844.38,2449.36 847.18,2455.94 850.42,2462.31 854.1,2468.44 858.2,2474.29 862.7,2479.85 867.58,2485.08 868.06,2485.55 870.05,2487.34 872.16,2488.99 874.39,2490.49 876.71,2491.83 879.12,2493.01 881.6,2494.01 884.15,2494.84 886.75,2495.49 889.39,2495.96 892.06,2496.24 894.74,2496.33 pad.1@932.17,2496.33
$Net45: C16.1 D6.1@1107.99,2363.82 L2.1@981.33,1866.33 pad.1@981.33,1866.33 pad.1@987.57,2165.35 pad.1@1107.99,2363.82 pad.1@1137.37,2467.18 | length 1319.6
  Top Layer w10: 1028.59,2360.56 1028.59,2409.91 1043.68,2425 1123.3,2425 1130.52,2432.22 ; D6.1@1107.99,2363.82 ccw(c1129.28,2385.11) 1129.28,2355 1170,2355 ccw(c1137.63,2387.37) 1183.41,2387.37 1183.41,2400
  Top Layer w11.81: L2.1@956.33,1941.33 959.41,1941.44 962.48,1941.76 965.52,1942.3 968.52,1943.04 971.45,1944 974.32,1945.15 977.09,1946.51 979.76,1948.05 982.32,1949.78 984.75,1951.68 987.05,1953.74 987.6,1954.28 1010.49,1977.18 1013.2,1980.09 1015.7,1983.17 1017.98,1986.43 1020.02,1989.83 1021.83,1993.37 1023.38,1997.03 1024.67,2000.78 1025.7,2004.62 1026.46,2008.52 1026.94,2012.46 1027.15,2016.43 1027.16,2017.41 1027.16,2057.99 1027.1,2059.82 1026.9,2061.64 1026.59,2063.44 1026.14,2065.21 1025.58,2066.95 1024.89,2068.65 1024.09,2070.29 1023.18,2071.87 1022.16,2073.39 1021.03,2074.83 1019.81,2076.19 1019.48,2076.52 991.33,2104.67 991.19,2104.81 990.66,2105.41 990.17,2106.03 989.72,2106.69 989.33,2107.38 988.98,2108.1 988.68,2108.84 988.43,2109.59 988.24,2110.37 988.1,2111.15 988.02,2111.94 987.99,2112.74 pad.1@987.99,2194.68 ; pad.1@986.32,2189.24 986.52,2189.46 986.71,2189.69 986.88,2189.93 987.04,2190.19 987.17,2190.45 987.29,2190.73 987.38,2191.01 987.46,2191.3 987.52,2191.59 987.55,2191.89 987.57,2192.19 987.57,2192.26 987.57,2274.24 987.58,2275.28 987.8,2279.41 988.31,2283.52 989.1,2287.59 990.17,2291.59 991.52,2295.51 993.14,2299.32 995.02,2303.02 997.15,2306.57 999.53,2309.96 1002.13,2313.18 1004.96,2316.21 1010.49,2321.74 1013.47,2324.94 1016.22,2328.33 1018.73,2331.91 1020.98,2335.66 1022.96,2339.56 1024.67,2343.58 1026.1,2347.71 1027.23,2351.93 1028.06,2356.22 1028.59,2360.56 1028.82,2364.93 1028.83,2366.02 ; 1025.08,2169.93 1025.08,2277.08 ; 1025.24,2165.46 1025.7,2161.02 ; 1025.26,2281.04 1025.65,2284.19 ; 1026.25,2287.31 1027.08,2290.38 ; 1026.48,2156.62 1027.56,2152.28 ; 1028.11,2293.38 1029.35,2296.3 ; 1028.94,2148.03 1030.61,2143.89 ; 1030.79,2299.13 1032.43,2301.85 ; 1032.57,2139.87 1034.81,2136 1037.31,2132.3 ; 1034.25,2304.45 1036.24,2306.92 ; 1039.27,2310.1 1042.89,2313.36 ; 1040.06,2128.78 1043.05,2125.46 1043.83,2124.67 ; 1046.73,2316.36 1050.77,2319.08 ; 1047.35,2121.32 1050.02,2119.15 ; 1052.84,2117.18 1055.79,2115.41 ; 1054.98,2321.51 1059.36,2323.65 ; 1058.85,2113.85 1062.01,2112.51 ; 1063.88,2325.47 D6.1@1068.51,2326.98 ; 1065.26,2111.39 1068.58,2110.5 ; 1071.96,2109.84 1075.37,2109.42 ; 1079.66,2109.24 1110.41,2109.24 1111.08,2109.23 ; 1116.42,2108.77 1119.05,2108.26 ; 1121.64,2107.56 1124.17,2106.69 ; 1129.03,2104.42 1131.33,2103.04 ; 1129.13,2429.48 1130.52,2432.22 1131.73,2435.06 ; 1132.73,2437.97 1133.52,2440.94 ; 1133.53,2101.51 1135.61,2099.82 ; 1134.11,2443.96 1134.49,2447.02 ; 1134.66,2450.86 pad.1@1134.66,2467.18 ; 1137.57,2097.99 1162.59,2072.97 ; C16.1@1139.84,2483.83 1159.3,2483.83 ; L2.1@1151.33,1898.83 1153.5,1901.15 1155.49,1903.62 1157.32,1906.22 1158.95,1908.94 1160.39,1911.77 1161.63,1914.7 1162.67,1917.7 1163.49,1920.77 1164.1,1923.88 1164.48,1927.03 1164.65,1930.21 1164.66,1931 1164.66,2067.99 ; 1162.43,2483.58 1163.8,2483.32 ; 1167.74,2481.96 1168.98,2481.33 ; 1172.39,2478.94 1173.41,2477.99 ; 1175.42,2475.79 1176.89,2473.92 ; 1178.22,2471.94 1179.41,2469.88 ; 1181.35,2465.53 1182.09,2463.26 ; 1183.08,2458.6 1183.33,2456.23 ; 1183.41,2400 1183.41,2453.85
$Net46: C16.2 pad.1@987.16,2393.7 pad.1@1078.82,2467.18 | length 141.4
  Top Layer w19.68: pad.1@986.32,2389.24 986.34,2390.96 986.7,2397.83 987.54,2404.66 988.85,2411.42 990.63,2418.06 992.87,2424.57 995.56,2430.9 998.69,2437.03 1002.23,2442.93 1006.18,2448.57 1010.51,2453.92 1015.2,2458.95 1015.64,2459.38 1017.46,2461.02 1019.4,2462.53 1021.43,2463.9 1023.55,2465.13 1025.76,2466.2 1028.03,2467.12 1030.36,2467.88 1032.74,2468.47 1035.16,2468.9 1037.6,2469.15 1040.05,2469.24 pad.1@1076.45,2469.24
$Net47: LED1.1 pad.1@179.87,1782.99 pad.1@182.17,1834.04 R24.2 | length 45.6
  Top Layer w11.81: pad.1@181.33,1788.28 pad.1@181.33,1833.87
$Net48: pad.1@418.83,2337.17 pad.1@422.17,2203.83 | length 350.9
  Top Layer w39.37: pad.1@421.33,2183.83 421.33,2324.69 421.34,2325.29 421.46,2327.67 421.75,2330.03 422.21,2332.37 422.82,2334.67 423.6,2336.92 424.53,2339.12 425.61,2341.24 426.84,2343.28 428.21,2345.24 429.7,2347.09 pad.1@431.33,2348.83 ; pad.1@434.67,2152.17 438.19,2155.95 441.44,2159.96 444.4,2164.19 447.06,2168.61 449.41,2173.22 451.42,2177.97 453.1,2182.85 454.44,2187.84 455.43,2192.91 456.06,2198.03 456.33,2203.19 456.33,2204.48 pad.1@456.33,2329.67
$Net49: pad.1@837.16,2165.35
$Net50: pad.1@937.16,2393.7
$Net51: pad.1@887.16,2393.7
pads on no net: C5.1 C5.2 C6.1 C6.2 C18.1 C18.2 U1.1 U1.2 U1.3 U1.4

## Polygon pours and split planes (outlines as drawn)
no net on Bottom Overlay (solid): 74 vertices, not listed, extent 1194.31,1162.84 1209.35,1186.2
no net on Bottom Overlay (solid): 124 vertices, not listed, extent 1220.86,1263.93 1230.09,1290.63
no net on Bottom Overlay (solid): 74 vertices, not listed, extent 1184.38,1264.53 1200.49,1289.54
no net on Bottom Overlay (solid): 48 vertices, not listed, extent 1150.64,1367.43 1166.03,1377.04
no net on Bottom Overlay (solid): 74 vertices, not listed, extent 1211.6,1464.52 1227.7,1489.53
no net on Bottom Overlay (solid): 74 vertices, not listed, extent 1184.81,1566.19 1200.92,1591.19
no net on Bottom Overlay (solid): 74 vertices, not listed, extent 1148.13,1664.93 1164.24,1689.94
no net on Bottom Overlay (solid): 74 vertices, not listed, extent 1146.06,1867.02 1162.17,1892.03
no net on Bottom Overlay (solid): 1222.06,1785.31 1213.27,1785.31 1222.06,1772.31
no net on Bottom Overlay (solid): 74 vertices, not listed, extent 1178.98,1767.84 1195.08,1792.84
no net on Bottom Overlay (solid): 74 vertices, not listed, extent 1148.56,1964.52 1164.67,1989.53
no net on Bottom Overlay (solid): 67 vertices, not listed, extent 1185.52,1976.7 1195.57,1990.62
no net on Bottom Overlay (solid): 74 vertices, not listed, extent 1184.81,2064.94 1200.92,2089.95
no net on Bottom Overlay (solid): 63 vertices, not listed, extent 1222.16,2164.47 1231.23,2173.65
no net on Bottom Overlay (solid): 66 vertices, not listed, extent 1221.51,2179.38 1232.1,2191.61
no net on Bottom Overlay (solid): 74 vertices, not listed, extent 1185.63,2165.35 1201.74,2190.35
no net on Bottom Overlay (solid): 74 vertices, not listed, extent 1149.38,2265.78 1165.49,2290.79
no net on Bottom Overlay (solid): 68 vertices, not listed, extent 1184.77,2265.18 1194.76,2279.16
no net on Bottom Overlay (solid): 124 vertices, not listed, extent 1188.15,2365.99 1197.38,2392.69
no net on Bottom Overlay (solid): 74 vertices, not listed, extent 1122.3,2366.6 1138.41,2391.6
no net on Bottom Overlay (solid): 74 vertices, not listed, extent 1119.81,2467.44 1135.92,2492.44
no net on Bottom Overlay (solid): 74 vertices, not listed, extent 1155.63,2566.6 1171.74,2591.6
no net on Bottom Overlay (solid): 74 vertices, not listed, extent 731.48,2567.44 747.58,2592.45
no net on Bottom Overlay (solid): 48 vertices, not listed, extent 772.21,2373.69 787.61,2383.3
no net on Bottom Overlay (solid): 746.5,2390.12 736.07,2390.12 741.2,2376.09
no net on Bottom Overlay (solid): 124 vertices, not listed, extent 774.33,2273.92 783.55,2300.62
no net on Bottom Overlay (solid): 750.25,2290.96 739.82,2290.96 744.95,2276.92
no net on Bottom Overlay (solid): 745.25,2188.46 734.82,2188.46 739.95,2174.42
no net on Bottom Overlay (solid): 746.5,2082.62 736.07,2082.62 741.2,2068.59
no net on Bottom Overlay (solid): 746.08,1982.62 735.65,1982.62 740.79,1968.59
no net on Bottom Overlay (solid): 777.59,1884.5 768.8,1884.5 777.59,1871.51
no net on Bottom Overlay (solid): 746.91,1883.47 736.48,1883.47 741.61,1869.43
no net on Bottom Overlay (solid): 744.83,1785.12 734.4,1785.12 739.54,1771.09
no net on Bottom Overlay (solid): 67 vertices, not listed, extent 770.65,1680.45 780.7,1694.37
no net on Bottom Overlay (solid): 746.08,1684.71 735.65,1684.71 740.79,1670.67
no net on Bottom Overlay (solid): 747.33,1585.12 736.9,1585.12 742.04,1571.09
no net on Bottom Overlay (solid): 48 vertices, not listed, extent 723.13,1368.68 738.53,1378.29
no net on Bottom Overlay (solid): 74 vertices, not listed, extent 811.17,1267.85 827.28,1292.85
no net on Bottom Overlay (solid): 84 vertices, not listed, extent 1187.17,1156.88 1216.7,1192.17
no net on Bottom Overlay (solid): 40 vertices, not listed, extent 1223.02,1156.67 1238.52,1192.17
no net on Bottom Overlay (solid): 130 vertices, not listed, extent 1213.21,1257.92 1237.73,1296.64
no net on Bottom Overlay (solid): 84 vertices, not listed, extent 1176.74,1258.14 1208.35,1295.93
no net on Bottom Overlay (solid): 299 vertices, not listed, extent 1179.08,1360.33 1209.82,1399.53
no net on Bottom Overlay (solid): 1232.48,1367.43 1243.62,1367.43 1243.62,1361.04 1213.64,1361.04 1213.64,1367.43 1224.84,1367.43 1224.84,1398.82 1232.48,1398.82
no net on Bottom Overlay (solid): 112 vertices, not listed, extent 1142.99,1361.04 1176.95,1398.82
no net on Bottom Overlay (solid): 84 vertices, not listed, extent 1203.95,1458.13 1235.56,1495.92
no net on Bottom Overlay (solid): 1195.87,1458.13 1188.83,1458.13 1188.83,1483.58 1173.21,1458.13 1165.84,1458.13 1165.84,1495.92 1172.88,1495.92 1172.88,1471.02 1188.23,1495.92 1195.87,1495.92
no net on Bottom Overlay (solid): 226 vertices, not listed, extent 1123.42,1457.42 1158.74,1496.63
no net on Bottom Overlay (solid): 84 vertices, not listed, extent 1177.17,1559.8 1208.78,1597.58
no net on Bottom Overlay (solid): 180 vertices, not listed, extent 1212.71,1559.58 1238.1,1597.58
no net on Bottom Overlay (solid): 84 vertices, not listed, extent 1140.49,1658.54 1172.1,1696.32
no net on Bottom Overlay (solid): 107 vertices, not listed, extent 1205.85,1672.57 1233.2,1682.95
no net on Bottom Overlay (solid): 248 vertices, not listed, extent 1176.69,1658.32 1201.81,1697.03
no net on Bottom Overlay (solid): 84 vertices, not listed, extent 1138.42,1860.63 1170.03,1898.42
no net on Bottom Overlay (solid): 107 vertices, not listed, extent 1203.77,1874.67 1231.13,1885.04
no net on Bottom Overlay (solid): 162 vertices, not listed, extent 1175,1861.12 1200.44,1899.13
no net on Bottom Overlay (solid): 1229.05,1791.64 1233.74,1791.64 1233.74,1785.31 1229.05,1785.31 1229.05,1761.28 1222.93,1761.28 1206.55,1785.36 1206.55,1791.64 1222.06,1791.64 1222.06,1799.23 1229.05,1799.23
no net on Bottom Overlay (solid): 84 vertices, not listed, extent 1171.33,1761.45 1202.95,1799.23
no net on Bottom Overlay (solid): 84 vertices, not listed, extent 1140.92,1958.13 1172.53,1995.92
no net on Bottom Overlay (solid): 200 vertices, not listed, extent 1177.39,1957.91 1202.67,1996.63
no net on Bottom Overlay (solid): 107 vertices, not listed, extent 1206.27,1972.17 1233.63,1982.54
no net on Bottom Overlay (solid): 84 vertices, not listed, extent 1177.17,2058.55 1208.78,2096.33
no net on Bottom Overlay (solid): 79 vertices, not listed, extent 1213.64,2059.04 1238.43,2096.33
no net on Bottom Overlay (solid): 184 vertices, not listed, extent 1214.35,2158.74 1239.25,2197.45
no net on Bottom Overlay (solid): 84 vertices, not listed, extent 1177.99,2158.96 1209.6,2196.74
no net on Bottom Overlay (solid): 84 vertices, not listed, extent 1141.74,2259.39 1173.35,2297.18
no net on Bottom Overlay (solid): 107 vertices, not listed, extent 1207.1,2273.43 1234.45,2283.8
no net on Bottom Overlay (solid): 204 vertices, not listed, extent 1177.67,2259.17 1202.89,2297.89
no net on Bottom Overlay (solid): 130 vertices, not listed, extent 1180.51,2359.99 1205.02,2398.7
no net on Bottom Overlay (solid): 84 vertices, not listed, extent 1114.66,2360.21 1146.27,2397.99
no net on Bottom Overlay (solid): 40 vertices, not listed, extent 1153.04,2359.99 1169.64,2397.99
no net on Bottom Overlay (solid): 107 vertices, not listed, extent 1209.39,2374.24 1236.74,2384.61
no net on Bottom Overlay (solid): 84 vertices, not listed, extent 1112.17,2461.05 1143.78,2498.83
no net on Bottom Overlay (solid): 40 vertices, not listed, extent 1150.55,2460.83 1167.15,2498.83
no net on Bottom Overlay (solid): 40 vertices, not listed, extent 1179.93,2460.83 1196.52,2498.83
no net on Bottom Overlay (solid): 107 vertices, not listed, extent 1206.9,2475.08 1234.25,2485.46
no net on Bottom Overlay (solid): 84 vertices, not listed, extent 1147.99,2560.21 1179.6,2597.99
no net on Bottom Overlay (solid): 180 vertices, not listed, extent 1212.91,2559.99 1238.3,2597.99
no net on Bottom Overlay (solid): 40 vertices, not listed, extent 1186.38,2559.99 1202.97,2597.99
no net on Bottom Overlay (solid): 84 vertices, not listed, extent 723.83,2561.05 755.45,2598.83
no net on Bottom Overlay (solid): 40 vertices, not listed, extent 762.22,2560.83 778.82,2598.83
no net on Bottom Overlay (solid): 248 vertices, not listed, extent 789.41,2560.83 814.53,2599.54
no net on Bottom Overlay (solid): 786.46,2461.05 778.32,2461.05 769.1,2489.01 759.49,2461.05 751.24,2461.05 764.78,2498.83 773.03,2498.83
no net on Bottom Overlay (solid): 248 vertices, not listed, extent 723.83,2460.83 748.95,2499.54
no net on Bottom Overlay (solid): 248 vertices, not listed, extent 788.43,2460.83 813.54,2499.54
no net on Bottom Overlay (solid): 831.4,2398.69 810.33,2398.69 810.33,2388.43 829.27,2388.43 829.27,2382.04 810.33,2382.04 810.33,2373.69 830.69,2373.69 830.69,2367.3 802.68,2367.3 802.68,2405.08 831.4,2405.08
no net on Bottom Overlay (solid): 845.54,2389.03 861.32,2389.03 861.32,2382.64 845.54,2382.64 845.54,2373.69 863.83,2373.69 863.83,2367.3 837.9,2367.3 837.9,2405.08 845.54,2405.08
no net on Bottom Overlay (solid): 112 vertices, not listed, extent 764.57,2367.3 798.53,2405.08